# Altium PCB ALCT_MEZ_LX100.PcbDoc (part 8 of 10)
Units mil, origin at the board's own origin, x right, y up, seen from the top; angles counter-clockwise.
Board outline 4100 x 5874.84 mil, 12 copper layers (Top Layer, GND, Mid-Layer 2, +3V3, Mid-Layer 4, +1V2, Mid-Layer 6, +1V8, Mid-Layer 8, +2V5, Mid-Layer 10, Bottom Layer), stack 64.7 mil thick; 544 components, 646 nets, 3089 pads, 1750 vias.
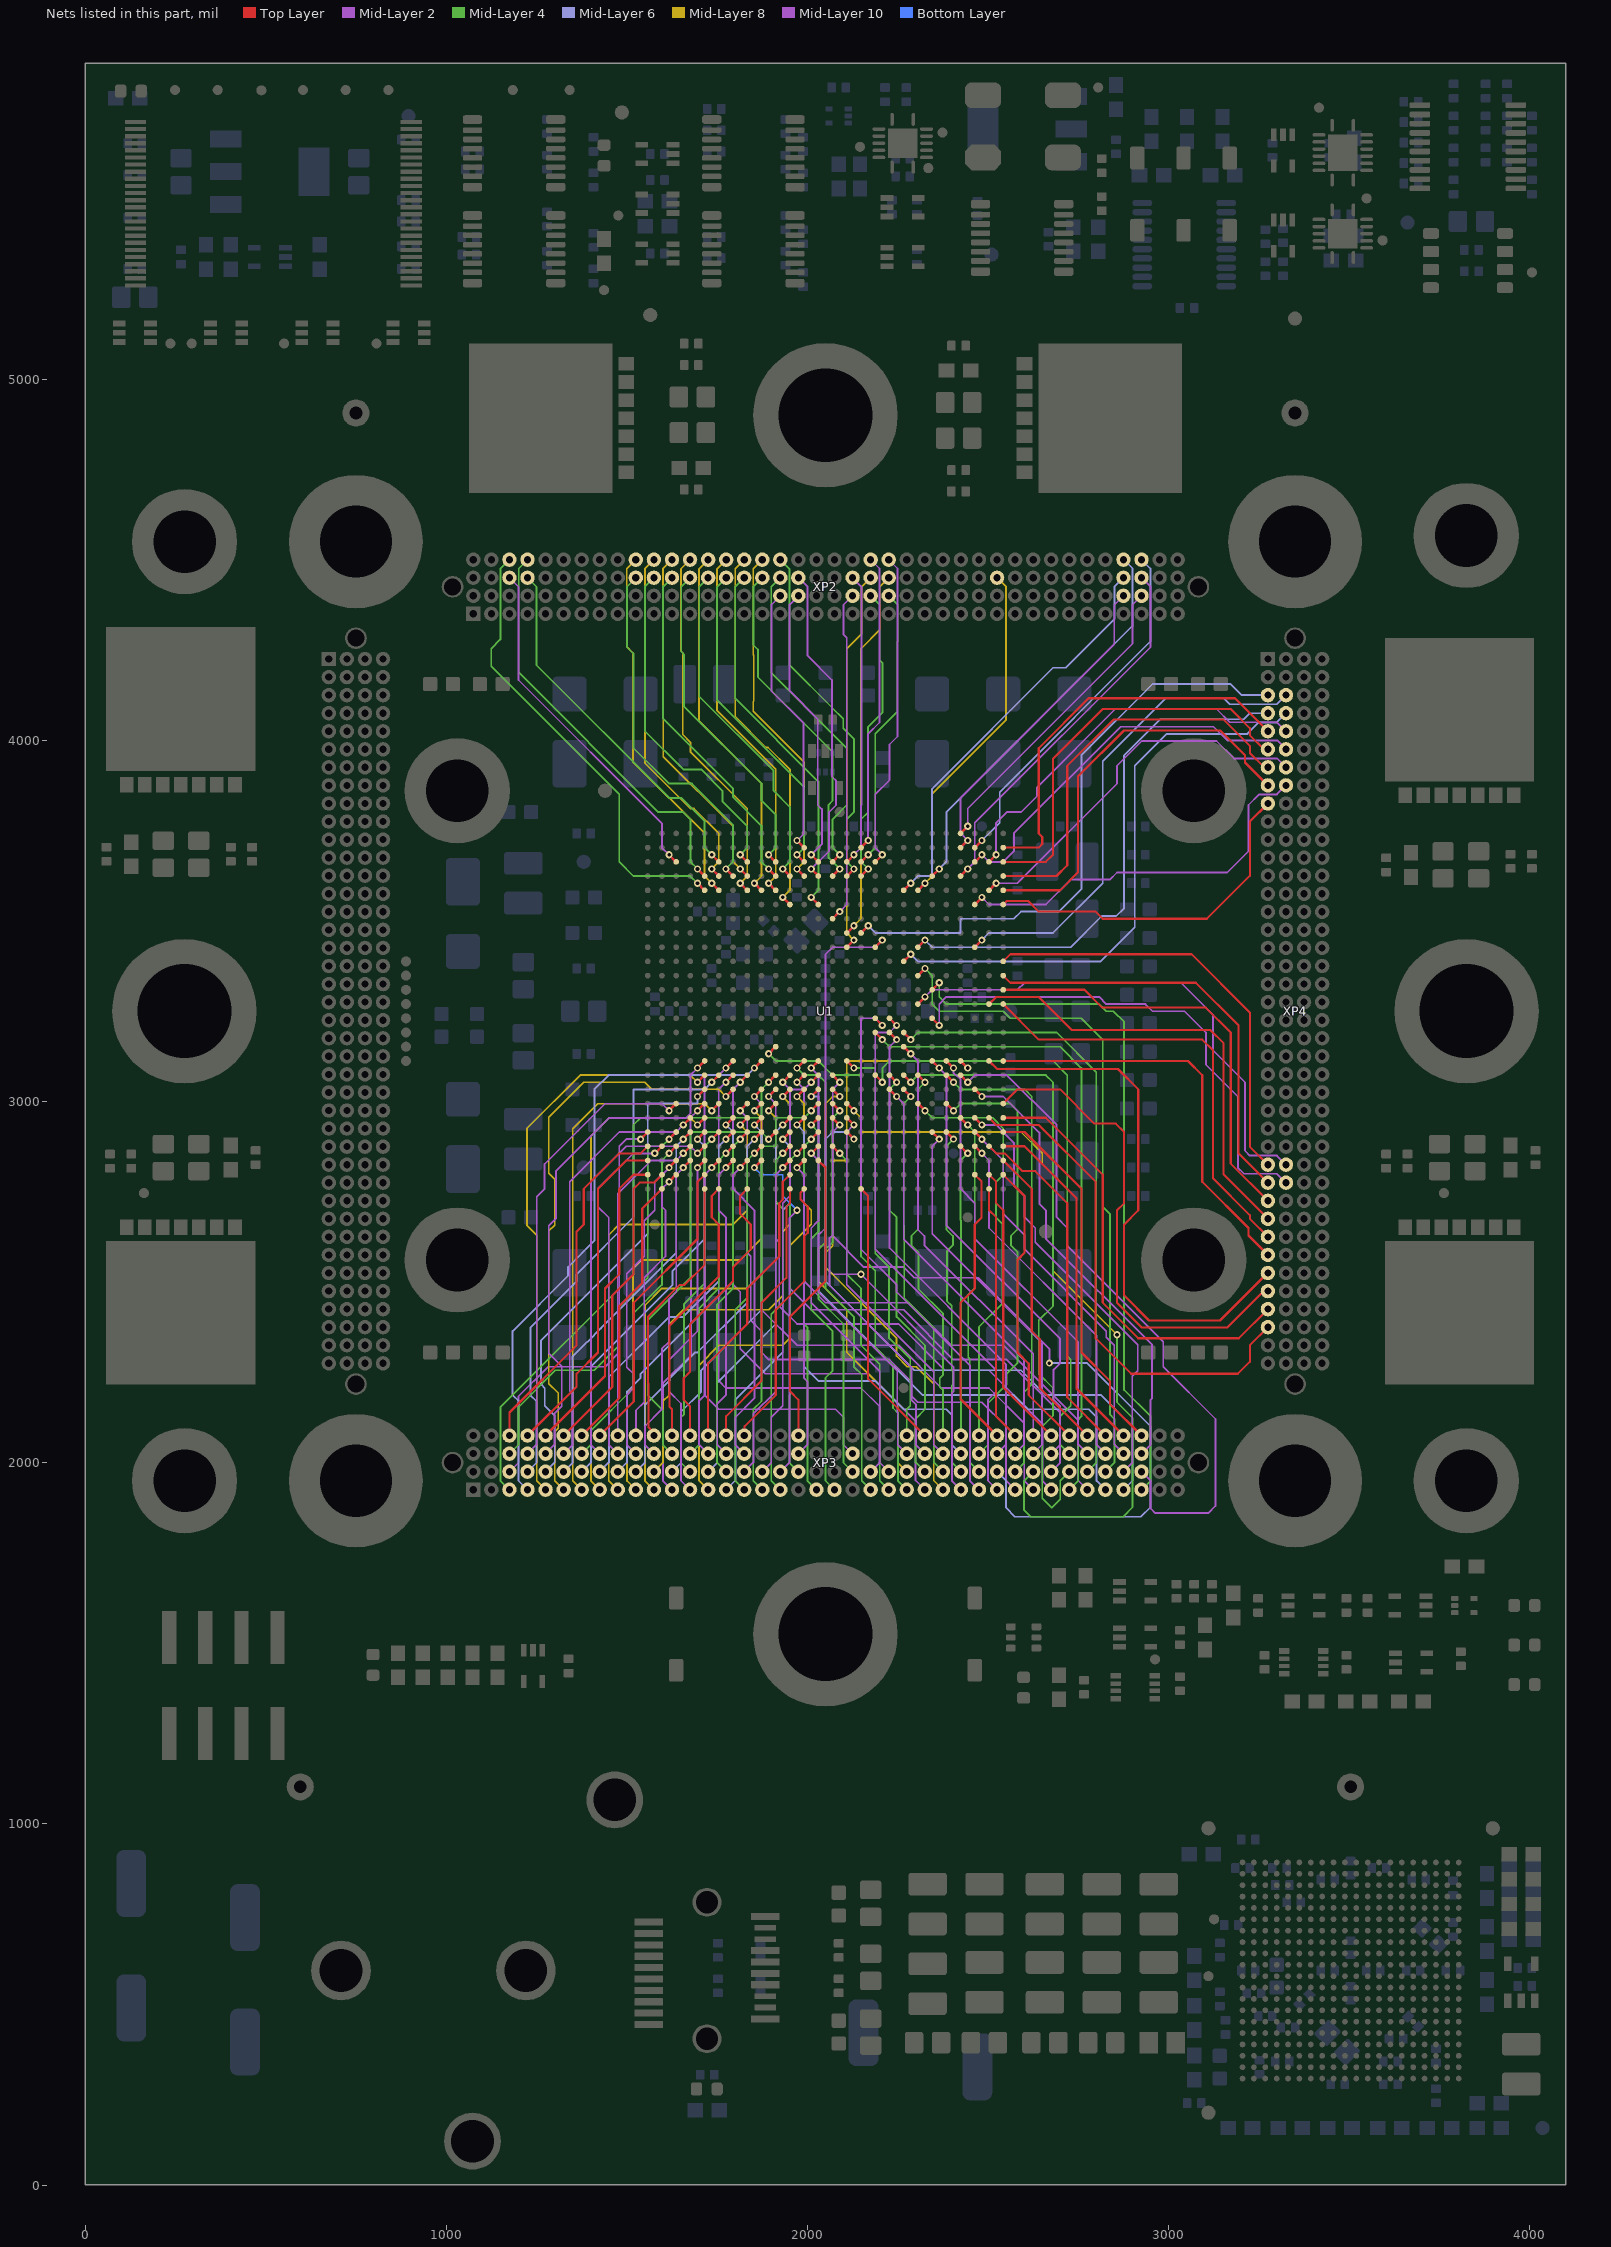
[diagram p18: the nets of this part, all layers, seen from the top]

## Via types
v1: diameter 20, hole 10, Top Layer to Bottom Layer, tented both sides, 1478 vias
v2: diameter 18, hole 10, Top Layer to Bottom Layer, tented both sides, 219 vias
v3: diameter 20, hole 10, Top Layer to Bottom Layer, 38 vias
v4: diameter 40, hole 20, Top Layer to Bottom Layer, 8 vias
v5: diameter 19, hole 10, Top Layer to Bottom Layer, tented both sides, 5 vias
v6: diameter 19, hole 10, Top Layer to Bottom Layer, 1 vias
v7: diameter 18, hole 10, Top Layer to Bottom Layer, 1 vias

## Nets (pads, with @x,y where several pads share a name; then routed paths per layer and width w, separated by ;. In a path a pad name is that pad's centre, name@x,y a point inside that pad or via, vN(x,y) a via of type N, cw(c..) or ccw(c..) an arc to the next point about the centre after c; other vN are vias at no path point) (continued)
XP2B_18: U1.B12 XP2.B18 | length 759.8
  Top Layer w7: v1(1971.26,3722.44) U1.B12@1990.94,3702.76
  Mid-Layer 2 w5: XP2.B18@1925,4400 1900.5,4375.5 1900.5,4135.83 1989.26,4047.07 1989.26,3740.44 v1(1971.26,3722.44)
XP2B_19: U1.C13 XP2.B19 | length 804.3
  Top Layer w7: v1(2010.63,3683.07) U1.C13@2030.31,3663.39
  Mid-Layer 2 w5: XP2.B19@1975,4400 1950.5,4375.5 1950.5,4136.9 2028.63,4058.77 2028.63,3820.87 2040.16,3809.34 2040.16,3712.6 v1(2010.63,3683.07)
XP2B_22: U1.G14 XP2.B22 | length 924.9
  Top Layer w7: U1.G14@2069.68,3505.91 v1(2089.37,3525.59)
  Mid-Layer 2 w5: v1(2089.37,3525.59) 2109.06,3545.28 2109.06,4283.75 2099.5,4293.31 2099.5,4374.5 XP2.B22@2125,4400
XP2B_23: U1.D16 XP2.B23 | length 830.4
  Top Layer w7: U1.D16@2148.43,3624.02 v1(2168.11,3643.7)
  Mid-Layer 4 w5: v1(2168.11,3643.7) 2148.43,3663.39 2148.43,3781.5 2168.11,3801.18 2168.11,4037.4 2207.48,4076.77 2207.48,4214.57 2200,4222.05 2200,4375 XP2.B23@2175,4400 XP2.B23@2174.79,4400
XP2B_24: U1.C16 XP2.B24 | length 789.3
  Top Layer w7: U1.C16@2148.43,3663.39 v1(2168.11,3683.07)
  Mid-Layer 4 w5: v1(2168.11,3683.07) 2187.8,3702.76 2187.8,4017.72 2248.54,4078.46 2248.54,4272.16 2250,4273.62 2250,4375 XP2.B24@2225,4400 XP2.B24@2224.79,4400
XP2B_37: U1.B23 XP2.B37 | length 900.4
  Top Layer w7: U1.B23@2424.02,3702.76 v1(2443.7,3722.44)
  Mid-Layer 2 w5: v1(2443.7,3722.44) 2424.02,3742.13 2424.02,3840.55 2849.5,4266.04 2849.5,4374.5 XP2.B37@2875,4400
XP2B_38: U1.A23 XP2.B38 | length 865.4
  Top Layer w7: U1.A23@2424.02,3742.13 v1(2443.7,3761.81)
  Mid-Layer 2 w5: v1(2443.7,3761.81) 2443.7,3811.02 2900,4267.32 2900,4375 XP2.B38@2925,4400
XP2C_3: U1.C3 XP2.C3 | length 977.8
  Top Layer w7: v1(1616.93,3683.07) U1.C3@1636.61,3663.39
  Mid-Layer 2 w5: XP2.C3@1175,4450 1200,4425 1200,4166.95 1597.24,3769.7 1597.24,3702.76 v1(1616.93,3683.07)
XP2C_4: U1.C6 XP2.C4 | length 1025.7
  Top Layer w7: v1(1735.04,3683.07) U1.C6@1754.72,3663.39
  Mid-Layer 4 w5: XP2.C4@1225,4450 1250,4425 1250,4207.48 1616.93,3840.55 1650.53,3840.55 1715.35,3775.73 1715.35,3702.76 v1(1735.04,3683.07)
XP2C_10: U1.D7 XP2.C10 | length 1010.9
  Top Layer w7: v1(1774.41,3643.7) U1.D7@1794.09,3624.02
  Mid-Layer 4 w5: XP2.C10@1525,4450 1500.5,4425.5 1500.5,4258.03 1518.5,4240.02 1518.5,3978.35 1616.93,3879.92 1680.11,3879.92 1793.91,3766.13 1793.91,3663.2 v1(1774.41,3643.7)
XP2C_11: U1.C8 XP2.C11 | length 959.5
  Top Layer w7: v1(1813.78,3683.07) U1.C8@1833.46,3663.39
  Mid-Layer 4 w5: XP2.C11@1575,4450 1550,4425 1550,4025.59 1656.3,3919.29 1705.51,3919.29 1764.57,3860.24 1764.57,3830.71 1833.46,3761.81 1833.46,3702.76 v1(1813.78,3683.07)
XP2C_12: U1.D10 XP2.C12 | length 965.2
  Top Layer w7: v1(1892.52,3643.7) U1.D10@1912.2,3624.02
  Mid-Layer 4 w5: XP2.C12@1625,4450 1600.5,4425.5 1600.5,4251 1600.5,4059.6 1794.28,3865.82 1794.28,3860.24 1794.28,3842.01 1872.65,3763.64 1872.65,3663.57 v1(1892.52,3643.7)
XP2C_13: U1.C10 XP2.C13 | length 921.3
  Top Layer w7: v1(1892.52,3683.07) U1.C10@1912.2,3663.39
  Mid-Layer 4 w5: XP2.C13@1675,4450 1650.5,4425.5 1650.5,4245.82 1657.98,4238.34 1657.98,4094.77 1873.02,3879.74 1873.02,3832.47 1912.02,3793.48 1912.02,3702.57 v1(1892.52,3683.07)
XP2C_14: U1.D11 XP2.C14 | length 956.3
  Top Layer w7: v1(1931.89,3643.7) U1.D11@1951.57,3624.02
  Mid-Layer 4 w5: XP2.C14@1725,4450 1700.5,4425.5 1700.5,4121.15 1906.43,3915.22 1906.43,3860.24 1951.39,3815.28 1951.39,3663.2 v1(1931.89,3643.7)
XP2C_15: U1.C12 XP2.C15 | length 913.1
  Top Layer w7: v1(1971.26,3683.07) U1.C12@1990.94,3663.39
  Mid-Layer 4 w5: XP2.C15@1775,4450 1750,4425 1750,4111.02 1990.95,3870.08 1990.95,3702.76 v1(1971.26,3683.07)
XP2C_16: U1.F13 XP2.C16 | length 1026.8
  Top Layer w7: v1(2010.63,3564.96) U1.F13@2030.31,3545.28
  Mid-Layer 4 w5: XP2.C16@1825,4450 1800,4425 1800,4116.01 2030.32,3885.69 2030.32,3584.65 v1(2010.63,3564.96)
XP2C_17: U1.D14 XP2.C17 | length 952.2
  Top Layer w7: U1.D14@2069.68,3624.02 v1(2089.37,3643.7)
  Mid-Layer 4 w5: XP2.C17@1875,4450 1850.5,4425.5 1850.5,4263.78 1862.99,4251.29 1862.99,4175.2 2069.5,3968.69 2069.5,3832.47 2058.69,3821.66 2058.69,3674.39 v1(2089.37,3643.7)
XP2C_18: U1.C14 XP2.C18 | length 916.2
  Top Layer w7: U1.C14@2069.68,3663.39 v1(2089.37,3683.07)
  Mid-Layer 4 w5: XP2.C18@1925,4450 1900,4425 1900,4187.4 2109.06,3978.35 2109.06,3820.87 2069.69,3781.5 2069.69,3702.76 v1(2089.37,3683.07)
XP2C_19: U1.D13 XP2.C19 | length 906
  Top Layer w7: v1(2010.63,3643.7) U1.D13@2030.31,3624.02
  Mid-Layer 2 w5: XP2.C19@1975,4450 2000.5,4424.5 2000.5,4234.25 2068,4166.75 2068,3899.61 2079.53,3888.08 2079.53,3820.87 2059.84,3801.18 2059.84,3692.92 v1(2010.63,3643.7)
XP2C_22: U1.C15 XP2.C22 | length 813.5
  Top Layer w7: U1.C15@2109.05,3663.39 v1(2128.74,3683.07)
  Mid-Layer 2 w5: XP2.C22@2125,4450 2149.5,4425.5 2149.5,3820.87 2148.24,3819.61 2148.24,3702.57 v1(2128.74,3683.07)
XP2C_23: U1.J15 XP2.C23 | length 1066.5
  Top Layer w7: U1.J15@2109.05,3427.16 v1(2128.74,3446.85)
  Mid-Layer 8 w5: v1(2128.74,3446.85) 2109.06,3466.54 2109.06,4253.94 2150,4294.88 2150,4425 XP2.C23@2175,4450
XP2C_24: U1.H15 XP2.C24 | length 1031.5
  Top Layer w7: U1.H15@2109.05,3466.54 v1(2128.74,3486.22)
  Mid-Layer 8 w5: v1(2128.74,3486.22) 2148.43,3505.91 2148.43,4253.94 2200,4305.51 2200,4425 XP2.C24@2225,4450
XP2C_30: U1.E20 XP2.C30 | length 976.8
  Top Layer w7: U1.E20@2305.91,3584.65 v1(2325.59,3604.33)
  Mid-Layer 8 w5: v1(2325.59,3604.33) 2345.28,3624.02 2345.28,3852.36 2550,4057.09 2550,4425 XP2.C30@2525,4450
XP2C_37: U1.E19 XP2.C37 | length 1161.1
  Top Layer w7: U1.E19@2266.54,3584.65 v1(2286.22,3604.33)
  Mid-Layer 6 w5: v1(2286.22,3604.33) 2305.91,3624.02 2345.28,3624.02 2345.28,3866.01 2679.92,4200.65 2715.22,4200.65 2850,4335.43 2850,4425 XP2.C37@2875,4450
XP2C_38: U1.D23 XP2.C38 | length 1054.2
  Top Layer w7: U1.D23@2424.02,3624.02 v1(2443.7,3643.7)
  Mid-Layer 2 w5: v1(2443.7,3643.7) 2463.39,3663.39 2463.39,3771.65 2950,4258.27 2950,4425 XP2.C38@2925,4450
XP2D_3: U1.E5 XP2.D3 | length 1273
  Top Layer w7: v1(1695.67,3604.33) U1.E5@1715.35,3584.65
  Mid-Layer 4 w5: XP2.D3@1175,4500 1150,4475 1150,4279.13 1124.8,4253.94 1124.8,4204.72 1479.13,3850.39 1479.13,3663.39 1518.5,3624.02 1675.98,3624.02 v1(1695.67,3604.33)
XP2D_4: U1.D5 XP2.D4 | length 1139.8
  Top Layer w7: v1(1695.67,3643.7) U1.D5@1715.35,3624.02
  Mid-Layer 4 w5: XP2.D4@1225,4500 1200.5,4475.5 1200.5,4188.08 1587.4,3801.18 1656.3,3801.18 1675.98,3781.5 1675.98,3663.39 v1(1695.67,3643.7)
XP2D_10: U1.E6 XP2.D10 | length 1031.2
  Top Layer w7: v1(1735.04,3604.33) U1.E6@1754.72,3584.65
  Mid-Layer 8 w5: XP2.D10@1525,4500 1500,4475 1500,4258.53 1516.82,4241.71 1516.82,3940.66 1715.35,3742.13 1715.35,3624.02 v1(1735.04,3604.33)
XP2D_11: U1.D6 XP2.D11 | length 993.2
  Top Layer w7: v1(1735.04,3643.7) U1.D6@1754.72,3624.02
  Mid-Layer 8 w5: XP2.D11@1575,4500 1550,4475 1550,3937.01 1675.98,3811.02 1685.83,3811.02 1754.72,3742.13 1754.72,3663.39 v1(1735.04,3643.7)
XP2D_12: U1.D8 XP2.D12 | length 984.5
  Top Layer w7: v1(1813.78,3643.7) U1.D8@1833.46,3624.02
  Mid-Layer 8 w5: 1601,4300 1600,4301 ; XP2.D12@1625,4500 1600,4475 1600,4301 ; v1(1813.78,3643.7) 1794.09,3663.39 1794.09,3761.81 1601,3954.91 1601,4076.77 1600,4077.77 1600,4301
XP2D_13: U1.E8 XP2.D13 | length 1018
  Top Layer w7: v1(1813.78,3604.33) U1.E8@1833.46,3584.65
  Mid-Layer 8 w5: XP2.D13@1675,4500 1650,4475 1650,4246.32 1654.61,4241.71 1654.61,4016.03 1675.98,3994.66 1675.98,3968.5 1833.46,3811.02 1833.46,3624.02 v1(1813.78,3604.33)
XP2D_14: U1.E9 XP2.D14 | length 1013.6
  Top Layer w7: v1(1853.15,3604.33) U1.E9@1872.83,3584.65
  Mid-Layer 8 w5: XP2.D14@1725,4500 1700,4475 1700,4052.76 1872.83,3879.92 1872.83,3624.02 v1(1853.15,3604.33)
XP2D_15: U1.E10 XP2.D15 | length 1009.2
  Top Layer w7: v1(1892.52,3604.33) U1.E10@1912.2,3584.65
  Mid-Layer 8 w5: XP2.D15@1775,4500 1750,4475 1750,4081.5 1912.2,3919.29 1912.2,3624.02 v1(1892.52,3604.33)
XP2D_16: U1.F11 XP2.D16 | length 1047.4
  Top Layer w7: v1(1931.89,3564.96) U1.F11@1951.57,3545.28
  Mid-Layer 8 w5: XP2.D16@1825,4500 1800,4475 1800,4065.1 1885.06,3980.03 1890.83,3980.03 1951.39,3919.48 1951.39,3584.46 v1(1931.89,3564.96)
XP2D_17: U1.D12 XP2.D17 | length 962.2
  Top Layer w7: v1(1971.26,3643.7) U1.D12@1990.94,3624.02
  Mid-Layer 8 w5: XP2.D17@1875,4500 1850,4475 1850,4236.87 1851.46,4235.41 1851.46,4108.69 1850,4107.22 1850,4079.92 1990.95,3938.98 1990.95,3663.39 v1(1971.26,3643.7)
XP2D_18: U1.D15 XP2.D18 | length 984.8
  Top Layer w7: U1.D15@2109.05,3624.02 v1(2128.74,3643.7)
  Mid-Layer 4 w5: XP2.D18@1925,4500 1950,4475 1950,4208.64 2068,4090.64 2068,4090.4 2099.21,4059.18 2099.21,4033.33 2128.74,4003.8 2128.74,3801.18 2109.06,3781.5 2109.06,3663.39 v1(2128.74,3643.7)
XP2D_23: U1.B16 XP2.D23 | length 828.5
  Top Layer w7: U1.B16@2148.43,3702.76 v1(2168.11,3722.44)
  Mid-Layer 2 w5: v1(2168.11,3722.44) 2168.11,4017.72 2199.5,4049.11 2199.5,4475.5 XP2.D23@2175,4500
XP2D_24: U1.C17 XP2.D24 | length 888.6
  Top Layer w7: U1.C17@2187.8,3663.39 v1(2207.48,3683.07)
  Mid-Layer 2 w5: v1(2207.48,3683.07) 2187.8,3702.76 2187.8,3850.39 2227.17,3889.76 2227.17,3988.19 2249.5,4010.52 2249.5,4475.5 XP2.D24@2225,4500
XP2D_37: U1.D21 XP2.D37 | length 1116.7
  Top Layer w7: U1.D21@2345.28,3624.02 v1(2364.96,3643.7)
  Mid-Layer 6 w5: v1(2364.96,3643.7) 2384.65,3663.39 2384.65,3801.18 2900,4316.54 2900,4476 2876,4500 XP2.D37@2875,4500
XP2D_38: U1.B24 XP2.D38 | length 1008.7
  Top Layer w7: U1.B24@2463.39,3702.76 v1(2483.07,3722.44)
  Mid-Layer 6 w5: v1(2483.07,3722.44) 2532.28,3771.65 2532.28,3856.16 2949.5,4273.38 2949.5,4475.5 XP2.D38@2925,4500
XP3A_3: U1.V10 XP3.A3 | length 1669.9
  Top Layer w7: v1(1892.52,3053.15) U1.V10@1912.2,3072.83
  Mid-Layer 4 w5: XP3.A3@1175,1925 1150,1950 1150,2153.15 1518.5,2521.65 1518.5,2935.04 1538.19,2954.72 1872.83,2954.72 1872.83,3033.46 v1(1892.52,3053.15)
XP3A_4: U1.U9 XP3.A4 | length 1714.5
  Top Layer w7: v1(1853.15,3092.52) U1.U9@1872.83,3112.2
  Mid-Layer 6 w5: XP3.A4@1225,1925 1200,1950 1200,2170.87 1183.86,2187.01 1183.86,2364.17 1337.21,2517.52 1337.21,2541.34 1410.24,2614.37 1410.24,3033.46 1449.61,3072.83 1833.46,3072.83 v1(1853.15,3092.52)
XP3A_5: U1.V5 XP3.A5 | length 1591.2
  Top Layer w7: v1(1695.67,3053.15) U1.V5@1715.35,3072.83
  Mid-Layer 8 w5: XP3.A5@1275,1925 1250.5,1949.5 1250.5,2629.92 1223.23,2657.19 1223.23,2925.2 1370.87,3072.83 1675.98,3072.83 v1(1695.67,3053.15)
XP3A_6: U1.W7 XP3.A6 | length 1644.4
  Top Layer w7: v1(1774.41,3013.78) U1.W7@1794.09,3033.46
  Mid-Layer 8 w5: XP3.A6@1325,1925 1300.5,1949.5 1300.5,2085.15 1310.13,2094.78 1310.13,2192.76 1283.97,2218.92 1283.97,2641.45 1300.28,2657.76 1300.28,2785.02 1283.97,2801.33 1283.97,2956.41 1380.52,3052.96 1550.16,3052.96 1569.48,3033.65 1754.54,3033.65 v1(1774.41,3013.78)
XP3A_7: U1.Y6 XP3.A7 | length 1458.9
  Top Layer w7: v1(1735.04,2974.41) U1.Y6@1754.72,2994.09
  Mid-Layer 8 w5: XP3.A7@1375,1925 1350.5,1949.5 1350.5,2924.52 1419.89,2993.91 1715.54,2993.91 v1(1735.04,2974.41)
XP3A_8: U1.AA5 XP3.A8 | length 1341
  Top Layer w7: v1(1695.67,2935.04) U1.AA5@1715.35,2954.72
  Mid-Layer 8 w5: XP3.A8@1425,1925 1400.5,1949.5 1400.5,2174 1400.5,2903.67 1451.37,2954.54 1459.45,2954.54 1676.17,2954.54 v1(1695.67,2935.04)
XP3A_9: U1.AA8 XP3.A9 | length 1399.7
  Top Layer w7: v1(1813.78,2935.04) U1.AA8@1833.46,2954.72
  Mid-Layer 8 w5: XP3.A9@1475,1925 1450,1950 1450,2630.32 1479.13,2659.45 1794.09,2659.45 1833.46,2698.82 1833.46,2915.35 v1(1813.78,2935.04)
XP3A_10: U1.Y9 XP3.A10 | length 1409.1
  Top Layer w7: v1(1853.15,2974.41) U1.Y9@1872.83,2994.09
  Mid-Layer 8 w5: XP3.A10@1525,1925 1500.5,1949.5 1500.5,2192.06 1516.82,2208.38 1516.82,2536.29 1541.55,2561.02 1813.78,2561.02 1872.65,2619.89 1872.65,2954.91 v1(1853.15,2974.41)
XP3A_11: U1.Y10 XP3.A11 | length 1384.2
  Top Layer w7: v1(1892.52,2974.41) U1.Y10@1912.2,2994.09
  Mid-Layer 8 w5: XP3.A11@1575,1925 1550,1950 1550,2435.04 1597.24,2482.28 1833.46,2482.28 1912.2,2561.02 1912.2,2954.72 v1(1892.52,2974.41)
XP3A_12: U1.Y5 XP3.A12 | length 1128.5
  Top Layer w7: v1(1695.67,2974.41) U1.Y5@1715.35,2994.09
  Mid-Layer 10 w5: XP3.A12@1625,1925 1600,1950 1600,2219.29 1677.67,2296.96 1677.67,2561.02 1676.17,2562.52 1676.17,2954.91 v1(1695.67,2974.41)
XP3A_13: U1.AD5 XP3.A13 | length 976.4
  Top Layer w7: v1(1695.67,2816.93) U1.AD5@1715.35,2836.61
  Mid-Layer 2 w5: XP3.A13@1675,1925 1650,1950 1650,2163.78 1616.93,2196.85 1616.93,2285.43 1695.67,2364.17 v1(1695.67,2816.93)
XP3A_14: U1.W12 XP3.A14 | length 1375.7
  Top Layer w7: v1(1971.26,3013.78) U1.W12@1990.94,3033.46
  Mid-Layer 8 w5: XP3.A14@1725,1925 1700,1950 1700,2270.08 1754.72,2324.8 1931.89,2324.8 1951.57,2344.49 1951.57,2600.39 2010.63,2659.45 2010.63,2698.82 1990.95,2718.5 1990.95,2994.09 v1(1971.26,3013.78)
XP3A_15: U1.AB11 XP3.A15 | length 1079.8
  Top Layer w7: v1(1931.89,2895.67) U1.AB11@1951.57,2915.35
  Mid-Layer 6 w5: XP3.A15@1775,1925 1800.5,1950.5 1800.5,2173.73 1931.89,2305.12 1931.89,2698.82 1951.57,2718.5 1951.57,2875.98 v1(1931.89,2895.67)
XP3A_16: U1.AC9 XP3.A16 | length 991.5
  Top Layer w7: v1(1853.15,2856.3) U1.AC9@1872.83,2875.98
  Mid-Layer 4 w5: XP3.A16@1825,1925 1800,1950 1800,2423.36 1833.46,2456.83 1833.46,2836.61 v1(1853.15,2856.3)
XP3A_17: U1.Y13 XP3.A17 | length 1223.3
  Top Layer w7: v1(2010.63,2974.41) U1.Y13@2030.31,2994.09
  Mid-Layer 4 w5: XP3.A17@1875,1925 1850,1950 1850,2147.64 1872.83,2170.47 1872.83,2875.98 1912.2,2875.98 1912.2,2954.72 1990.95,2954.72 v1(2010.63,2974.41)
XP3A_18: U1.AC11 XP3.A18 | length 999
  Top Layer w7: v1(1931.89,2856.3) U1.AC11@1951.57,2875.98
  Mid-Layer 4 w5: XP3.A18@1925,1925 1900,1950 1900,2411.02 1931.89,2442.91 1931.89,2703.19 1912.2,2722.87 1912.2,2836.61 v1(1931.89,2856.3)
XP3A_20: U1.AB13 XP3.A20 | length 1020.8
  Top Layer w7: v1(2010.63,2895.67) U1.AB13@2030.31,2915.35
  Mid-Layer 4 w5: v1(2010.63,2895.67) 1990.95,2875.98 1990.95,2383.86 2000,2374.8 2000,1950 XP3.A20@2025,1925
XP3A_21: U1.AA13 XP3.A21 | length 1097.2
  Top Layer w7: v1(2010.63,2935.04) U1.AA13@2030.31,2954.72
  Mid-Layer 4 w5: v1(2010.63,2935.04) 2030.32,2915.35 2030.32,2639.76 2010.63,2620.08 2010.63,2423.23 2069.69,2364.17 2069.69,2254.43 2050,2234.74 2050,1950 XP3.A21@2075,1925
XP3A_23: U1.Y14 XP3.A23 | length 1145.3
  Top Layer w7: U1.Y14@2069.68,2994.09 v1(2089.37,2974.41)
  Mid-Layer 4 w5: v1(2089.37,2974.41) 2069.69,2954.72 2069.69,2610.24 2050,2590.55 2050,2482.28 2128.74,2403.54 2128.74,2265.75 2150.5,2243.99 2150.5,1949.5 XP3.A23@2175,1925
XP3A_24: U1.AC14 XP3.A24 | length 1015.3
  Top Layer w7: U1.AC14@2069.68,2875.98 v1(2089.37,2856.3)
  Mid-Layer 4 w5: v1(2089.37,2856.3) 2109.06,2836.61 2109.06,2521.65 2148.43,2482.28 2148.43,2324.8 2200.5,2272.73 2200.5,1949.5 XP3.A24@2225,1925
XP3A_25: U1.T10 XP3.A25 | length 1508.5
  Top Layer w7: v1(1892.52,3131.89) U1.T10@1912.2,3151.57
  Mid-Layer 4 w5: v1(1892.52,3131.89) 1912.2,3112.2 2030.32,3112.2 2069.5,3073.02 2148.24,3073.02 2148.43,3072.83 2148.43,2570.87 2187.8,2531.5 2187.8,2319.03 2237.01,2269.82 2237.01,2151.29 2250.5,2137.8 2250.5,1949.5 XP3.A25@2275,1925
XP3A_26: U1.V8 XP3.A26 | length 1551.3
  Top Layer w7: v1(1813.78,3053.15) U1.V8@1833.46,3072.83
  Mid-Layer 10 w5: v1(1813.78,3053.15) 1794.09,3033.46 1794.09,2492.13 1813.78,2472.44 1813.78,2314.96 1882.68,2246.06 2168.11,2246.06 2299.5,2114.67 2299.5,1950.5 XP3.A26@2325,1925
XP3A_27: U1.U23 XP3.A27 | length 1755
  Top Layer w7: U1.U23@2424.02,3112.2 v1(2443.7,3092.52)
  Mid-Layer 8 w5: XP3.A27@2375,1925 2349.5,1950.5 2349.5,2217.93 2301.68,2265.75 2276.38,2265.75 2246.85,2295.28 2246.85,2344.49 2050,2541.34 2050,2580.71 2069.87,2600.58 2069.87,2836.43 2069.69,2836.61 2109.06,2836.61 2109.06,3112.2 2424.02,3112.2 v1(2443.7,3092.52)
XP3A_28: U1.AC13 XP3.A28 | length 1180.5
  Top Layer w7: v1(2010.63,2856.3) U1.AC13@2030.31,2875.98
  Mid-Layer 2 w5: v1(2148.43,2521.65) 2404.33,2265.75 2404.33,2196.85 2400,2192.52 2400,1950 XP3.A28@2425,1925
  Mid-Layer 10 w5: v1(2010.63,2856.3) 2050,2816.93 2050,2541.34 2069.69,2521.65 v1(2148.43,2521.65)
XP3A_29: U1.P17 XP3.A29 | length 1535.6
  Top Layer w7: U1.P17@2187.8,3230.31 v1(2207.48,3210.63)
  Mid-Layer 2 w5: v1(2207.48,3210.63) 2187.8,3230.32 2148.43,3230.32 2148.43,2590.55 2246.85,2492.13 2246.85,2472.44 2450,2269.29 2450,1950 XP3.A29@2475,1925
XP3A_30: U1.P18 XP3.A30 | length 1519.3
  Top Layer w7: U1.P18@2227.17,3230.31 v1(2246.85,3210.63)
  Mid-Layer 2 w5: v1(2246.85,3210.63) 2227.17,3190.95 2187.8,3190.95 2187.8,2590.55 2522.44,2255.91 2522.44,2196.85 2500,2174.41 2500,1950 XP3.A30@2525,1925
XP3A_31: U1.Y8 XP3.A31 | length 1692.1
  Top Layer w7: v1(1813.78,2974.41) U1.Y8@1833.46,2994.09
  Mid-Layer 10 w5: v1(1813.78,2974.41) 1833.46,2954.72 1833.46,2580.71 1843.31,2570.87 1843.31,2393.7 1872.83,2364.17 1872.83,2305.12 1892.52,2285.43 2227.17,2285.43 2287.91,2224.69 2287.91,2185.32 2305.91,2167.32 2482.68,2167.32 2550,2100 2550,1950 XP3.A31@2575,1925
XP3A_32: U1.W9 XP3.A32 | length 1678.5
  Top Layer w7: v1(1853.15,3013.78) U1.W9@1872.83,3033.46
  Mid-Layer 10 w5: v1(1853.15,3013.78) 1872.83,2994.09 1872.83,2423.23 1971.26,2324.8 2252.62,2324.8 2370.73,2206.69 2502.76,2206.69 2600.5,2108.95 2600.5,1949.5 XP3.A32@2625,1925
XP3A_33: U1.W10 XP3.A33 | length 1677.1
  Top Layer w7: v1(1892.52,3013.78) U1.W10@1912.2,3033.46
  Mid-Layer 10 w5: v1(1892.52,3013.78) 1912.2,2994.09 1912.2,2620.08 1922.05,2610.24 1922.05,2433.07 1971.26,2383.86 2252.62,2383.86 2380.57,2255.91 2502.76,2255.91 2650.5,2108.16 2650.5,1949.5 XP3.A33@2675,1925
XP3A_34: U1.R17 XP3.A34 | length 1793.1
  Top Layer w7: U1.R17@2187.8,3190.94 v1(2207.48,3171.26)
  Mid-Layer 4 w5: v1(2207.48,3171.26) 2227.17,3151.57 2699.61,3151.57 2758.66,3092.52 2758.66,2127.95 2750,2119.29 2750,1950 XP3.A34@2725,1925
XP3A_35: U1.V12 XP3.A35 | length 1708
  Top Layer w7: v1(1971.26,3053.15) U1.V12@1990.94,3072.83
  Mid-Layer 10 w5: v1(1971.26,3053.15) 1990.95,3033.46 1990.95,2501.97 2050,2442.91 2280.45,2442.91 2398.56,2324.8 2542.13,2324.8 2749.5,2117.43 2749.5,1950.5 XP3.A35@2775,1925
XP3A_36: U1.W13 XP3.A36 | length 1711
  Top Layer w7: v1(2010.63,3013.78) U1.W13@2030.31,3033.46
  Mid-Layer 6 w5: v1(2010.63,3013.78) 2030.31,3013.78 2030.32,2476.51 2319.82,2187.01 2571.65,2187.01 2611.02,2147.64 2778.35,2147.64 2800.5,2125.48 2800.5,1949.5 XP3.A36@2825,1925
XP3A_37: U1.AB15 XP3.A37 | length 1718.4
  Top Layer w7: U1.AB15@2109.05,2915.35 v1(2128.74,2895.67)
  Mid-Layer 6 w5: v1(2128.74,2895.67) 2109.06,2915.35 2069.69,2915.35 2050,2895.67 2050,2501.97 2296.06,2255.91 2591.34,2255.91 2660.24,2187.01 2812.99,2187.01 2900,2100 2900,1950 XP3.A37@2875,1925
XP3A_38: U1.M21 XP3.A38 | length 1943.7
  Top Layer w7: U1.M21@2345.28,3309.05 v1(2364.96,3328.74)
  Mid-Layer 4 w5: v1(2364.96,3328.74) 2364.96,3289.37 2384.65,3269.69 2807.87,3269.69 2827.56,3250 2847.24,3250 2876.77,3220.47 2876.77,2201.18 2950,2127.95 2950,1950 XP3.A38@2925,1925
XP3B_3: U1.AB1 XP3.B3 | length 1214.3
  Top Layer w7: v1(1538.19,2895.67) U1.AB1@1557.87,2915.35
  Mid-Layer 10 w5: XP3.B3@1175,1975 1200,2000 1200,2183.46 1282.28,2265.75 1439.76,2265.75 1479.13,2305.12 1479.13,2875.98 1498.82,2895.67 v1(1538.19,2895.67)
XP3B_4: U1.V6 XP3.B4 | length 1446.6
  Top Layer w7: v1(1735.04,3053.15) U1.V6@1754.72,3072.83
  Mid-Layer 6 w5: XP3.B4@1225,1975 1250,2000 1250,2170.08 1233.07,2187.01 1233.07,2374.02 1361.02,2501.97 1361.02,2521.65 1518.5,2679.13 1518.5,3033.46 1715.35,3033.46 v1(1735.04,3053.15)
XP3B_5: U1.W5 XP3.B5 | length 1353
  Top Layer w7: v1(1695.67,3013.78) U1.W5@1715.35,3033.46
  Mid-Layer 6 w5: XP3.B5@1275,1975 1300.5,2000.5 1300.5,2129.42 1272.97,2156.95 1272.97,2206.17 1262.6,2216.54 1262.6,2338.72 1557.87,2633.99 1557.87,2994.1 1695.67,2994.1 v1(1695.67,3013.78)
XP3B_6: U1.AB4 XP3.B6 | length 1086.4
  Top Layer w7: v1(1656.3,2895.67) U1.AB4@1675.98,2915.35
  Mid-Layer 6 w5: XP3.B6@1325,1975 1350,2000 1350,2294.09 1390.55,2334.65 1391.25,2334.65 1428.24,2371.63 1427.89,2371.98 1636.61,2580.71 1636.61,2875.98 v1(1656.3,2895.67)
XP3B_7: U1.AB5 XP3.B7 | length 1098.1
  Top Layer w7: v1(1695.67,2895.67) U1.AB5@1715.35,2915.35